# KiCad board Tanner 64k SRAM.kicad_pcb
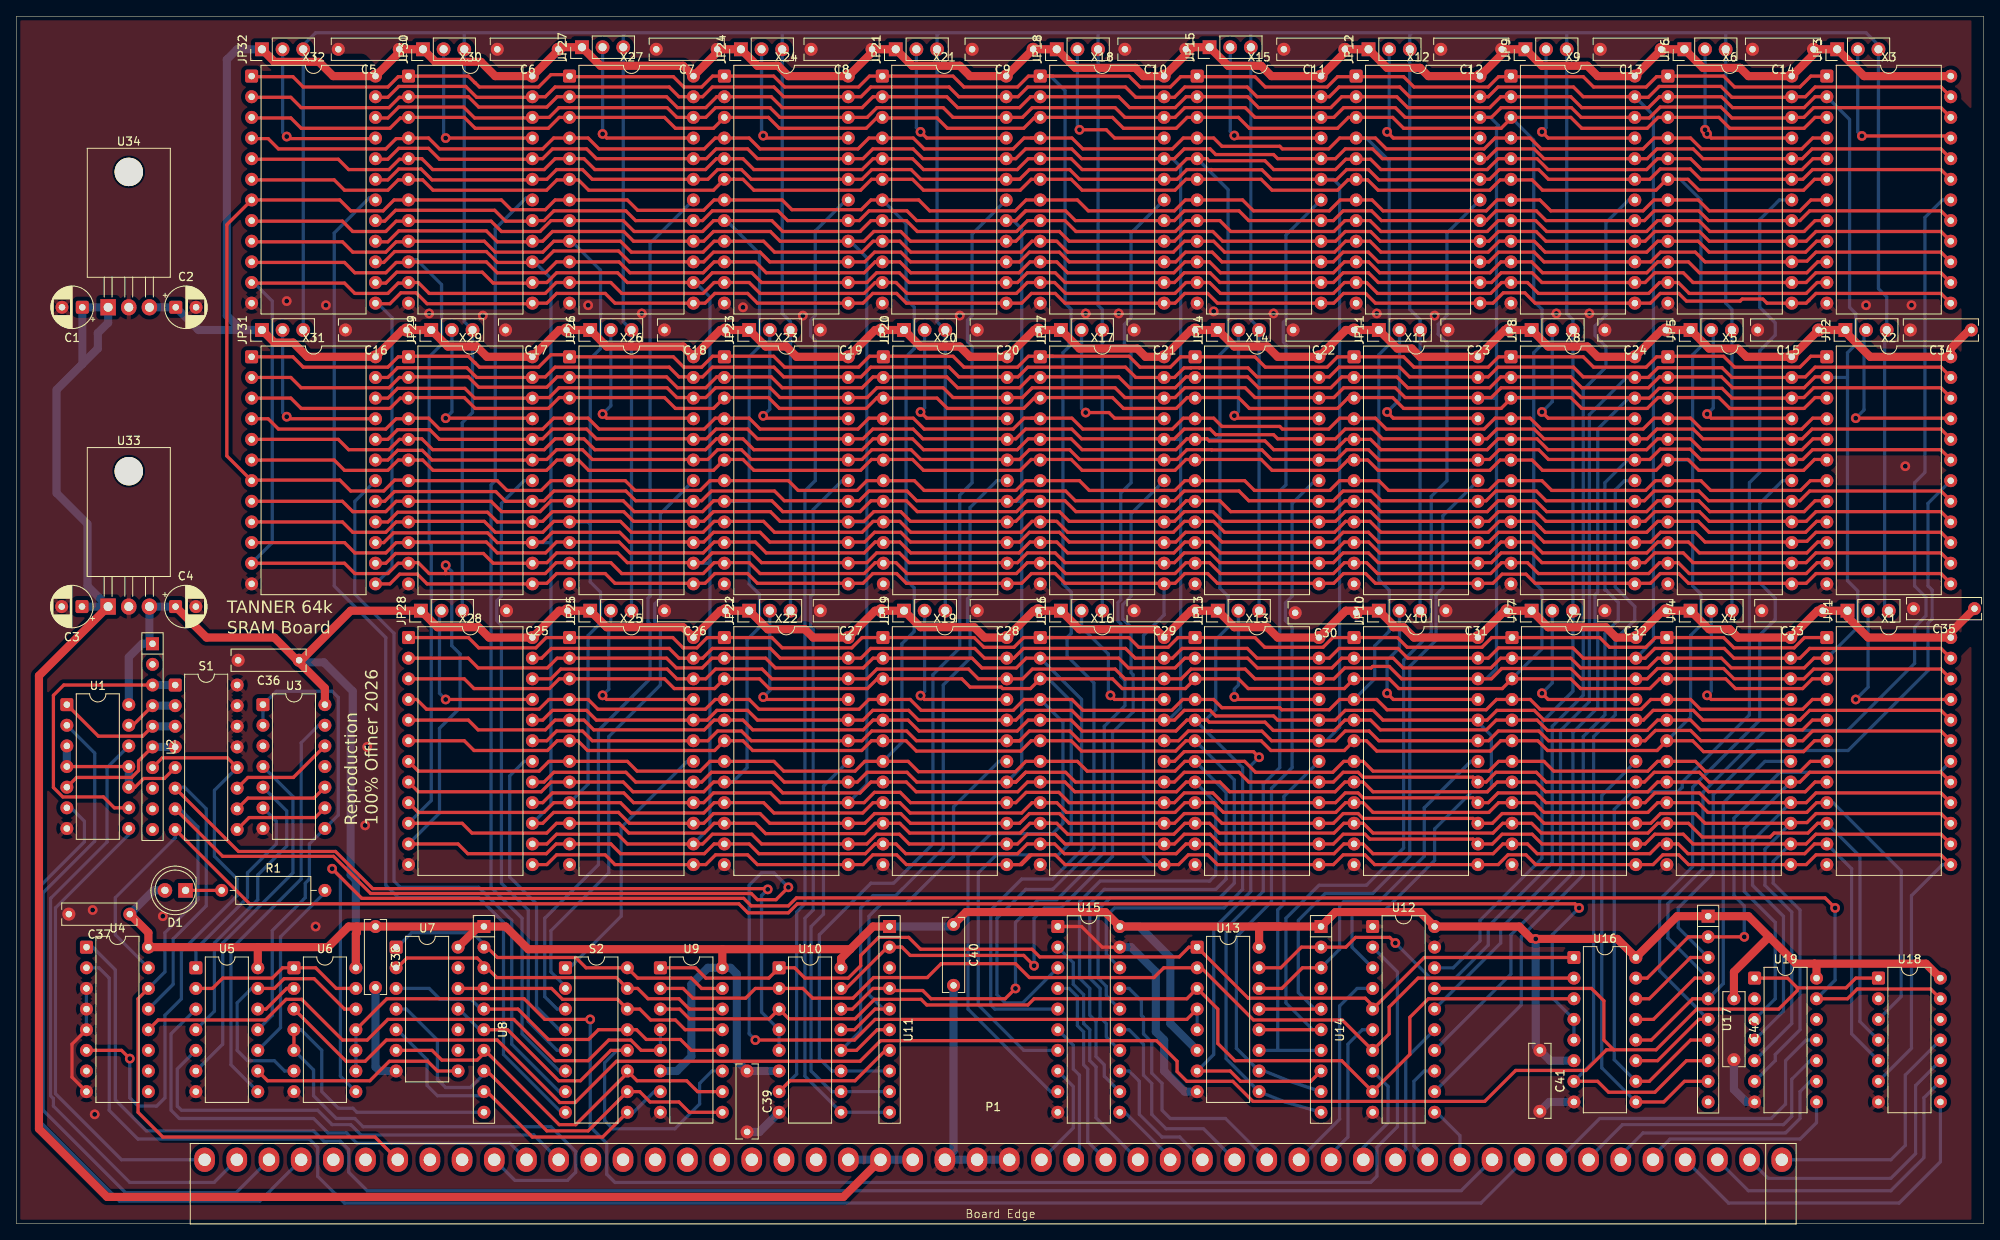
[diagram p0: board, top side]
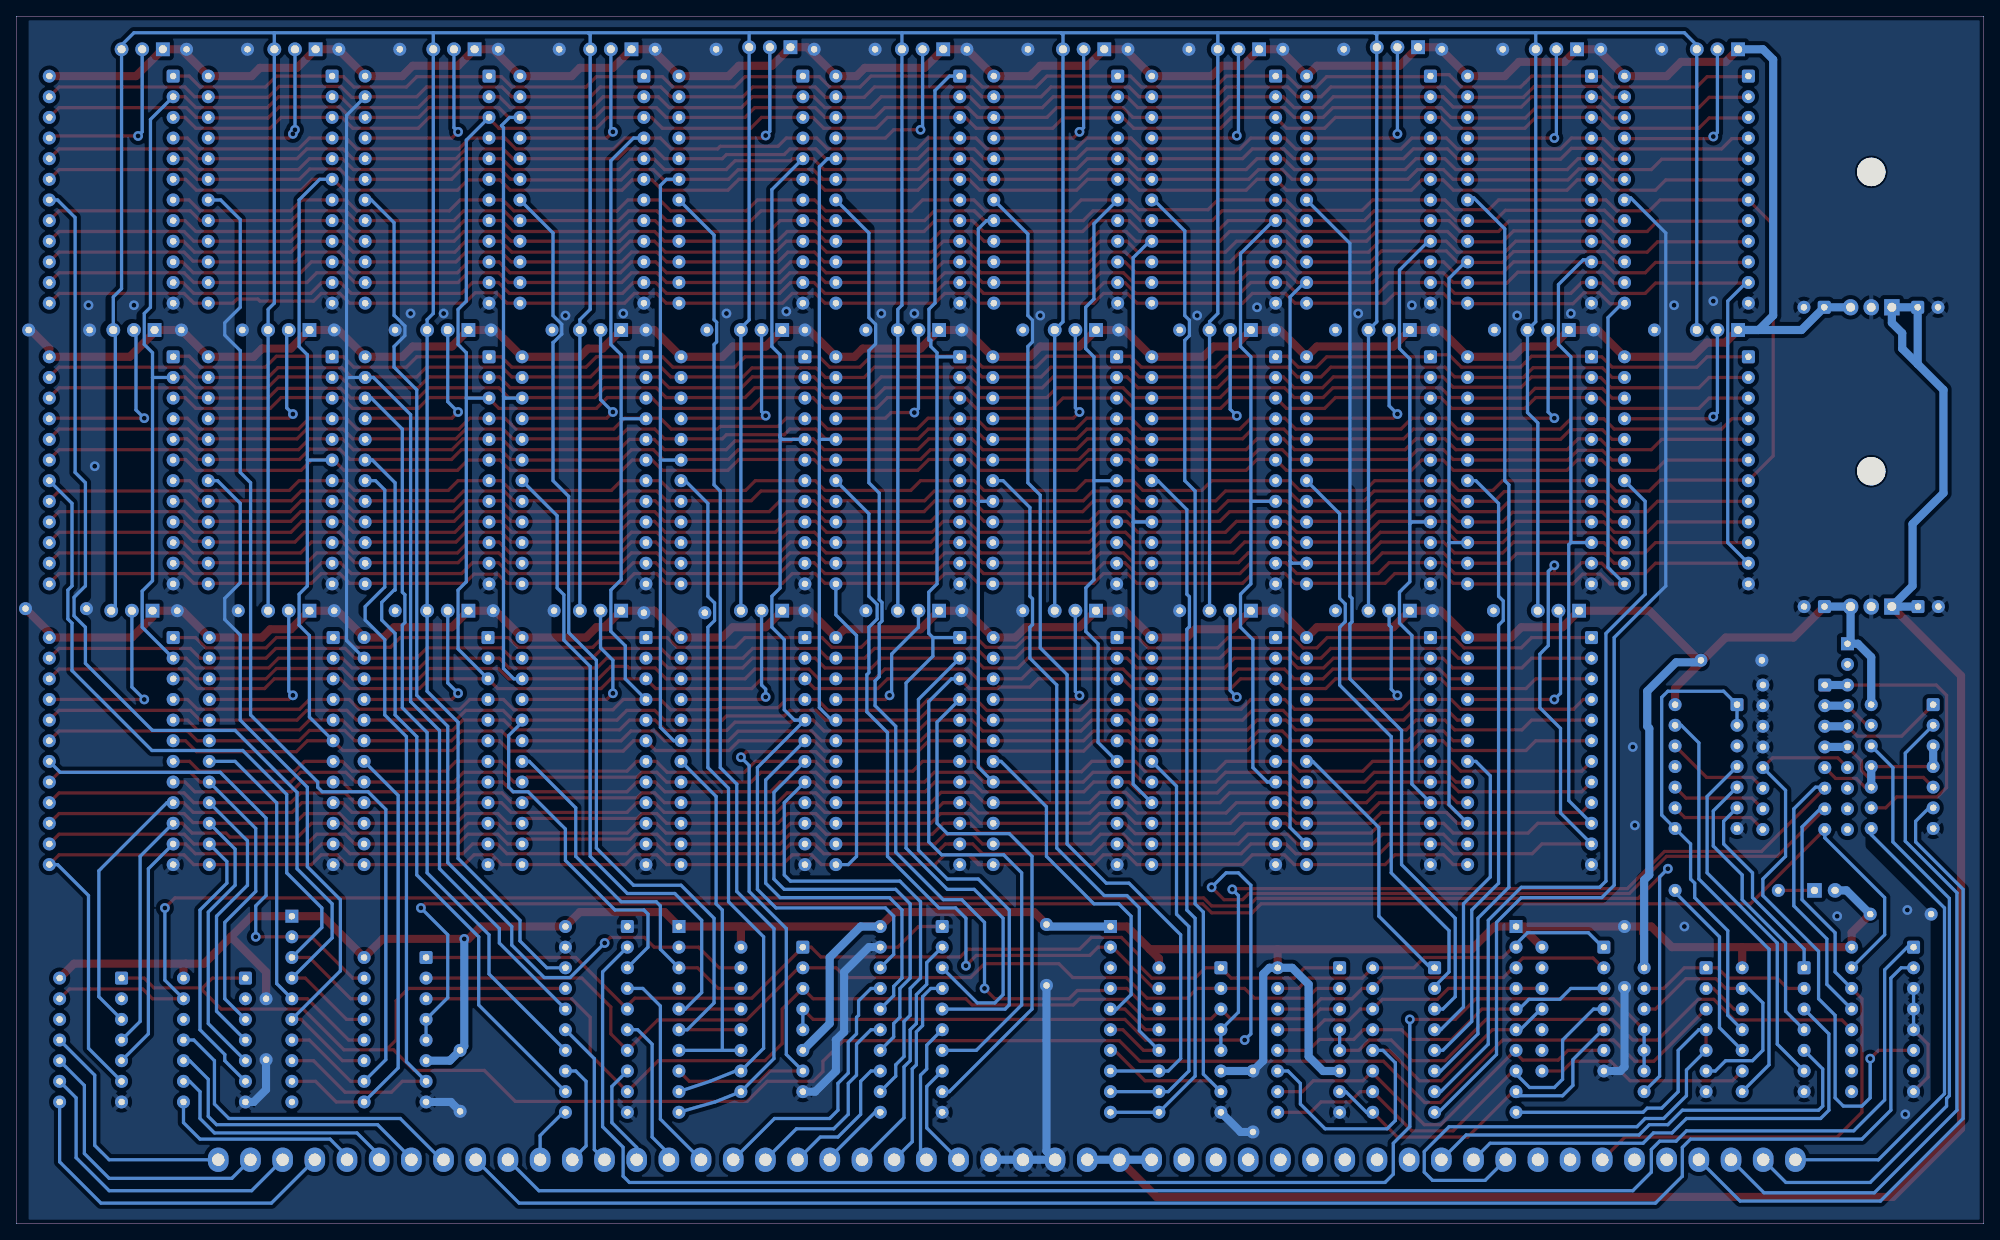
[diagram p1: board, bottom side, seen from below]

Outline 242.06 x 148.59 mm; copper layers: Top, Bottom. Coordinates in mm from the lower left corner of the outline.
Outline path: rectangle 0,148.59 242.06,0

## Placement (name value [footprint] x y rotation side)
C1  10u  [CP_Radial_D5.0mm_P2.50mm]  8.13 112.78 180 top
C2  10u  [CP_Radial_D5.0mm_P2.50mm]  19.62 112.78 0 top
C3  10u  [CP_Radial_D5.0mm_P2.50mm]  8.09 75.95 180 top
C4  10u  [CP_Radial_D5.0mm_P2.50mm]  19.6 75.95 0 top
C5  100n  [C_Rect_L9.0mm_W2.5mm_P7.50mm_MKT]  47.12 144.53 180 top
C6  100n  [C_Rect_L9.0mm_W2.5mm_P7.50mm_MKT]  66.68 144.53 180 top
C7  100n  [C_Rect_L9.0mm_W2.5mm_P7.50mm_MKT]  86.24 144.53 180 top
C8  100n  [C_Rect_L9.0mm_W2.5mm_P7.50mm_MKT]  105.29 144.53 180 top
C9  100n  [C_Rect_L9.0mm_W2.5mm_P7.50mm_MKT]  125.1 144.53 180 top
C10  100n  [C_Rect_L9.0mm_W2.5mm_P7.50mm_MKT]  143.9 144.53 180 top
C11  100n  [C_Rect_L9.0mm_W2.5mm_P7.50mm_MKT]  163.46 144.53 180 top
C12  100n  [C_Rect_L9.0mm_W2.5mm_P7.50mm_MKT]  182.76 144.53 180 top
C13  100n  [C_Rect_L9.0mm_W2.5mm_P7.50mm_MKT]  202.38 144.53 180 top
C14  100n  [C_Rect_L9.0mm_W2.5mm_P7.50mm_MKT]  221.11 144.53 180 top
C15  100n  [C_Rect_L9.0mm_W2.5mm_P7.50mm_MKT]  221.74 109.98 180 top
C16  100n  [C_Rect_L9.0mm_W2.5mm_P7.50mm_MKT]  48.01 109.98 180 top
C17  100n  [C_Rect_L9.0mm_W2.5mm_P7.50mm_MKT]  67.7 109.98 180 top
C18  100n  [C_Rect_L9.0mm_W2.5mm_P7.50mm_MKT]  87.26 109.98 180 top
C19  100n  [C_Rect_L9.0mm_W2.5mm_P7.50mm_MKT]  106.43 109.98 180 top
C20  100n  [C_Rect_L9.0mm_W2.5mm_P7.50mm_MKT]  125.73 109.98 180 top
C21  100n  [C_Rect_L9.0mm_W2.5mm_P7.50mm_MKT]  145.03 109.98 180 top
C22  100n  [C_Rect_L9.0mm_W2.5mm_P7.50mm_MKT]  164.59 109.98 180 top
C23  100n  [C_Rect_L9.0mm_W2.5mm_P7.50mm_MKT]  183.64 109.98 180 top
C24  100n  [C_Rect_L9.0mm_W2.5mm_P7.50mm_MKT]  202.95 109.98 180 top
C25  100n  [C_Rect_L9.0mm_W2.5mm_P7.50mm_MKT]  67.82 75.44 180 top
C26  100n  [C_Rect_L9.0mm_W2.5mm_P7.50mm_MKT]  87.26 75.44 180 top
C27  100n  [C_Rect_L9.0mm_W2.5mm_P7.50mm_MKT]  106.43 75.44 180 top
C28  100n  [C_Rect_L9.0mm_W2.5mm_P7.50mm_MKT]  125.73 75.44 180 top
C29  100n  [C_Rect_L9.0mm_W2.5mm_P7.50mm_MKT]  145.03 75.44 180 top
C30  100n  [C_Rect_L9.0mm_W2.5mm_P7.50mm_MKT]  164.85 75.18 180 top
C31  100n  [C_Rect_L9.0mm_W2.5mm_P7.50mm_MKT]  183.39 75.44 180 top
C32  100n  [C_Rect_L9.0mm_W2.5mm_P7.50mm_MKT]  202.95 75.44 180 top
C33  100n  [C_Rect_L9.0mm_W2.5mm_P7.50mm_MKT]  222.25 75.44 180 top
C34  100n  [C_Rect_L9.0mm_W2.5mm_P7.50mm_MKT]  240.54 109.98 180 top
C35  100n  [C_Rect_L9.0mm_W2.5mm_P7.50mm_MKT]  240.93 75.69 180 top
C36  100n  [C_Rect_L9.0mm_W2.5mm_P7.50mm_MKT]  34.8 69.34 180 top
C37  100n  [C_Rect_L9.0mm_W2.5mm_P7.50mm_MKT]  13.97 38.1 180 top
C38  100n  [C_Rect_L9.0mm_W2.5mm_P7.50mm_MKT]  44.2 36.58 270 top
C39  100n  [C_Rect_L9.0mm_W2.5mm_P7.50mm_MKT]  89.92 18.8 270 top
C40  100n  [C_Rect_L9.0mm_W2.5mm_P7.50mm_MKT]  115.32 36.83 270 top
C41  100n  [C_Rect_L9.0mm_W2.5mm_P7.50mm_MKT]  187.45 21.34 270 top
C42  100n  [C_Rect_L9.0mm_W2.5mm_P7.50mm_MKT]  211.33 27.69 270 top
D1  RED  [LED_D5.0mm]  20.83 41.02 180 top
JP1  RAM/ROM  [PinHeader_1x03_P2.54mm_Vertical]  225.3 75.44 90 top
JP2  RAM/ROM  [PinHeader_1x03_P2.54mm_Vertical]  225.04 109.98 90 top
JP3  RAM/ROM  [PinHeader_1x03_P2.54mm_Vertical]  224.03 144.53 90 top
JP4  RAM/ROM  [PinHeader_1x03_P2.54mm_Vertical]  205.99 75.44 90 top
JP5  RAM/ROM  [PinHeader_1x03_P2.54mm_Vertical]  205.99 109.98 90 top
JP6  RAM/ROM  [PinHeader_1x03_P2.54mm_Vertical]  205.23 144.53 90 top
JP7  RAM/ROM  [PinHeader_1x03_P2.54mm_Vertical]  186.44 75.44 90 top
JP8  RAM/ROM  [PinHeader_1x03_P2.54mm_Vertical]  186.44 109.98 90 top
JP9  RAM/ROM  [PinHeader_1x03_P2.54mm_Vertical]  185.67 144.53 90 top
JP10  RAM/ROM  [PinHeader_1x03_P2.54mm_Vertical]  167.64 75.44 90 top
JP11  RAM/ROM  [PinHeader_1x03_P2.54mm_Vertical]  167.64 109.98 90 top
JP12  RAM/ROM  [PinHeader_1x03_P2.54mm_Vertical]  166.37 144.53 90 top
JP13  RAM/ROM  [PinHeader_1x03_P2.54mm_Vertical]  147.83 75.44 90 top
JP14  RAM/ROM  [PinHeader_1x03_P2.54mm_Vertical]  147.83 109.98 90 top
JP15  RAM/ROM  [PinHeader_1x03_P2.54mm_Vertical]  146.81 144.78 90 top
JP16  RAM/ROM  [PinHeader_1x03_P2.54mm_Vertical]  128.52 75.44 90 top
JP17  RAM/ROM  [PinHeader_1x03_P2.54mm_Vertical]  128.52 109.98 90 top
JP18  RAM/ROM  [PinHeader_1x03_P2.54mm_Vertical]  128.02 144.53 90 top
JP19  RAM/ROM  [PinHeader_1x03_P2.54mm_Vertical]  109.22 75.44 90 top
JP20  RAM/ROM  [PinHeader_1x03_P2.54mm_Vertical]  109.22 109.98 90 top
JP21  RAM/ROM  [PinHeader_1x03_P2.54mm_Vertical]  108.2 144.53 90 top
JP22  RAM/ROM  [PinHeader_1x03_P2.54mm_Vertical]  90.17 75.44 90 top
JP23  RAM/ROM  [PinHeader_1x03_P2.54mm_Vertical]  90.17 109.98 90 top
JP24  RAM/ROM  [PinHeader_1x03_P2.54mm_Vertical]  89.15 144.53 90 top
JP25  RAM/ROM  [PinHeader_1x03_P2.54mm_Vertical]  70.61 75.44 90 top
JP26  RAM/ROM  [PinHeader_1x03_P2.54mm_Vertical]  70.61 109.98 90 top
JP27  RAM/ROM  [PinHeader_1x03_P2.54mm_Vertical]  69.6 144.78 90 top
JP28  RAM/ROM  [PinHeader_1x03_P2.54mm_Vertical]  49.78 75.44 90 top
JP29  RAM/ROM  [PinHeader_1x03_P2.54mm_Vertical]  51.05 109.98 90 top
JP30  RAM/ROM  [PinHeader_1x03_P2.54mm_Vertical]  50.04 144.53 90 top
JP31  RAM/ROM  [PinHeader_1x03_P2.54mm_Vertical]  30.23 109.98 90 top
JP32  RAM/ROM  [PinHeader_1x03_P2.54mm_Vertical]  30.23 144.53 90 top
P1  SS-50 Bus  [SS-50_new]  120.19 7.87 0 top
R1  220E  [R_Axial_DIN0309_L9.0mm_D3.2mm_P12.70mm_Horizontal]  25.27 41.02 0 top
S1  SW_DIP_x08  [DIP-16_W7.62mm]  19.56 66.29 0 top
S2  SW_DIP_x08  [DIP-16_W7.62mm]  67.56 31.5 0 top
U1  74LS266  [DIP-14_W7.62mm]  6.22 63.88 0 top
U2  2k2  [R_Array_SIP10]  16.76 71.37 270 top
U3  74LS20  [DIP-14_W7.62mm]  30.35 63.88 0 top
U4  74LS138  [DIP-16_W7.62mm]  8.64 34.04 0 top
U5  74LS04  [DIP-14_W7.62mm]  22.1 31.5 0 top
U6  74LS00  [DIP-14_W7.62mm]  34.16 31.5 0 top
U7  74LS30  [DIP-14_W7.62mm]  46.74 34.04 0 top
U8  2k2  [R_Array_SIP10]  57.54 36.58 270 top
U9  74LS138  [DIP-16_W7.62mm]  79.25 31.5 0 top
U10  74LS138  [DIP-16_W7.62mm]  93.85 31.5 0 top
U11  2k2  [R_Array_SIP10]  107.44 36.58 270 top
U12  74LS244  [DIP-20_W7.62mm]  166.88 36.58 0 top
U13  74LS138  [DIP-16_W7.62mm]  145.29 34.04 0 top
U14  2k2  [R_Array_SIP10]  160.53 36.58 270 top
U15  74LS244  [DIP-20_W7.62mm]  128.14 36.58 0 top
U16  74LS138  [DIP-16_W7.62mm]  191.64 32.77 0 top
U17  2k2  [R_Array_SIP10]  208.15 37.85 270 top
U18  74LS242  [DIP-14_W7.62mm]  229.11 30.23 0 top
U19  74LS242  [DIP-14_W7.62mm]  213.87 30.23 0 top
U33  LM7805_TO220  [TO-220-3_Horizontal_TabDown]  11.3 75.95 0 top
U34  LM7805_TO220  [TO-220-3_Horizontal_TabDown]  11.3 112.78 0 top
X1  6116  [DIP-24_W15.24mm]  222.76 72.14 0 top
X2  6116  [DIP-24_W15.24mm]  222.76 106.68 0 top
X3  6116  [DIP-24_W15.24mm]  222.76 141.22 0 top
X4  6116  [DIP-24_W15.24mm]  203.07 72.14 0 top
X5  6116  [DIP-24_W15.24mm]  203.2 106.68 0 top
X6  6116  [DIP-24_W15.24mm]  203.2 141.22 0 top
X7  6116  [DIP-24_W15.24mm]  184.02 72.14 0 top
X8  6116  [DIP-24_W15.24mm]  183.9 106.68 0 top
X9  6116  [DIP-24_W15.24mm]  183.9 141.22 0 top
X10  6116  [DIP-24_W15.24mm]  164.59 72.14 0 top
X11  6116  [DIP-24_W15.24mm]  164.59 106.68 0 top
X12  6116  [DIP-24_W15.24mm]  164.85 141.22 0 top
X13  6116  [DIP-24_W15.24mm]  145.03 72.14 0 top
X14  6116  [DIP-24_W15.24mm]  145.03 106.68 0 top
X15  6116  [DIP-24_W15.24mm]  145.29 141.22 0 top
X16  6116  [DIP-24_W15.24mm]  125.98 72.14 0 top
X17  6116  [DIP-24_W15.24mm]  125.98 106.68 0 top
X18  6116  [DIP-24_W15.24mm]  125.98 141.22 0 top
X19  6116  [DIP-24_W15.24mm]  106.63 72.14 0 top
X20  6116  [DIP-24_W15.24mm]  106.68 106.68 0 top
X21  6116  [DIP-24_W15.24mm]  106.55 141.22 0 top
X22  6116  [DIP-24_W15.24mm]  87.12 72.14 0 top
X23  6116  [DIP-24_W15.24mm]  87.12 106.68 0 top
X24  6116  [DIP-24_W15.24mm]  87.12 141.22 0 top
X25  6116  [DIP-24_W15.24mm]  68.07 72.14 0 top
X26  6116  [DIP-24_W15.24mm]  68.07 106.68 0 top
X27  6116  [DIP-24_W15.24mm]  68.07 141.22 0 top
X28  6116  [DIP-24_W15.24mm]  48.26 72.14 0 top
X29  6116  [DIP-24_W15.24mm]  48.26 106.68 0 top
X30  6116  [DIP-24_W15.24mm]  48.26 141.22 0 top
X31  6116  [DIP-24_W15.24mm]  28.96 106.68 0 top
X32  6116  [DIP-24_W15.24mm]  28.96 141.22 0 top

## Library data of the parts
C1-C4 = -: Description: Polarized capacitor, small symbol; ki_fp_filters: CP_*
C5-C42 = -: Description: Unpolarized capacitor, small symbol; ki_fp_filters: C_*
D1 = -: Description: Light emitting diode, small symbol, filled shape; Sim.Pins: 1=K 2=A; ki_fp_filters: LED* LED_SMD:* LED_THT:*
JP1-JP32 = -: Description: Jumper, 3-pole, both open; ki_fp_filters: Jumper* TestPoint*3Pads* TestPoint*Bridge*
P1 = -: Description: "Generic connector, single row, 01x50, script generated"; ki_fp_filters: Connector*:*_1x??_*
R1 = -: Description: Resistor, small symbol; ki_fp_filters: R_*
S1 S2 = -: Description: 8x DIP Switch, Single Pole Single Throw (SPST) switch, small symbol; ki_fp_filters: SW?DIP?x8*
U1 = -: Datasheet: http://www.intersil.com/content/dam/Intersil/documents/cd40/cd4076bms.pdf; Description: Quad Xnor 2 inputs; ki_fp_filters: DIP?14*
U2 U8 U11 U14 U17 = -: Datasheet: http://www.vishay.com/docs/31509/csc.pdf; Description: 9 resistor network, star topology, bussed resistors, small symbol; ki_fp_filters: R?Array?SIP*
U3 = -: Datasheet: http://www.ti.com/lit/gpn/sn74LS20; Description: Dual 4-input NAND; ki_fp_filters: DIP?12*
U4 U9 U10 U13 U16 = -: Datasheet: http://www.ti.com/lit/gpn/sn74LS138; Description: Decoder 3 to 8 active low outputs; ki_fp_filters: DIP?16*
U5 = -: Datasheet: http://www.ti.com/lit/gpn/sn74LS04; Description: Hex Inverter; ki_fp_filters: DIP*W7.62mm* SSOP?14* TSSOP?14*
U6 = -: Datasheet: http://www.ti.com/lit/gpn/sn74ls00; Description: quad 2-input NAND gate; ki_fp_filters: DIP*W7.62mm* SO14*
U7 = -: Datasheet: http://www.ti.com/lit/gpn/sn74LS30; Description: 8-input NAND; ki_fp_filters: DIP*W7.62mm*
U12 U15 = -: Datasheet: http://www.ti.com/lit/ds/symlink/sn74ls244.pdf; Description: Octal Buffer and Line Driver With 3-State Output, active-low enables, non-inverting outputs; ki_fp_filters: DIP?20*
U18 U19 = -: Datasheet: http://www.ti.com/lit/gpn/sn74LS242; Description: quad bus transceiver, inverting 3-state outputs; ki_fp_filters: DIP?12*
U33 U34 = -: Datasheet: https://www.onsemi.cn/PowerSolutions/document/MC7800-D.PDF; Description: Positive 1A 35V Linear Regulator, Fixed Output 5V, TO-220; ki_fp_filters: TO?220*
X1-X32 = -: Description: SRAM 16 KiBit; ki_fp_filters: DIP*W15.24mm*

## Footprints (pads in the part's own frame, mm; a bottom-side part is the same pattern mirrored in y, then rotated)
C_Rect_L9.0mm_W2.5mm_P7.50mm_MKT
  round 1.6 hole 0.8: 1(0,0) 2(7.5,0)
CP_Radial_D5.0mm_P2.50mm
  rrect 1.6x1.6 hole 0.8: 1(0,0)
  round 1.6 hole 0.8: 2(2.5,0)
DIP-14_W7.62mm
  rrect 1.6x1.6 hole 0.8: 1(0,0)
  round 1.6 hole 0.8: 2(0,-2.54) 3(0,-5.08) 4(0,-7.62) 5(0,-10.16) 6(0,-12.7) 7(0,-15.24) 8(7.62,-15.24) 9(7.62,-12.7) 10(7.62,-10.16) 11(7.62,-7.62) 12(7.62,-5.08) 13(7.62,-2.54) 14(7.62,0)
DIP-16_W7.62mm
  rrect 1.6x1.6 hole 0.8: 1(0,0)
  round 1.6 hole 0.8: 2(0,-2.54) 3(0,-5.08) 4(0,-7.62) 5(0,-10.16) 6(0,-12.7) 7(0,-15.24) 8(0,-17.78) 9(7.62,-17.78) 10(7.62,-15.24) 11(7.62,-12.7) 12(7.62,-10.16) 13(7.62,-7.62) 14(7.62,-5.08) 15(7.62,-2.54) 16(7.62,0)
DIP-20_W7.62mm
  rrect 1.6x1.6 hole 0.8: 1(0,0)
  round 1.6 hole 0.8: 2(0,-2.54) 3(0,-5.08) 4(0,-7.62) 5(0,-10.16) 6(0,-12.7) 7(0,-15.24) 8(0,-17.78) 9(0,-20.32) 10(0,-22.86) 11(7.62,-22.86) 12(7.62,-20.32) 13(7.62,-17.78) 14(7.62,-15.24) 15(7.62,-12.7) 16(7.62,-10.16) 17(7.62,-7.62) 18(7.62,-5.08) 19(7.62,-2.54) 20(7.62,0)
DIP-24_W15.24mm
  rrect 1.6x1.6 hole 0.8: 1(0,0)
  round 1.6 hole 0.8: 2(0,-2.54) 3(0,-5.08) 4(0,-7.62) 5(0,-10.16) 6(0,-12.7) 7(0,-15.24) 8(0,-17.78) 9(0,-20.32) 10(0,-22.86) 11(0,-25.4) 12(0,-27.94) 13(15.24,-27.94) 14(15.24,-25.4) 15(15.24,-22.86) 16(15.24,-20.32) 17(15.24,-17.78) 18(15.24,-15.24) 19(15.24,-12.7) 20(15.24,-10.16) 21(15.24,-7.62) 22(15.24,-5.08) 23(15.24,-2.54) 24(15.24,0)
LED_D5.0mm
  rect 1.8x1.8 hole 0.9: 1(0,0)
  round 1.8 hole 0.9: 2(2.54,0)
PinHeader_1x03_P2.54mm_Vertical
  rect 1.7x1.7 hole 1: 1(0,0)
  round 1.7 hole 1: 2(0,-2.54) 3(0,-5.08)
R_Array_SIP10
  rect 1.6x1.6 hole 0.8: 1(0,0)
  round 1.6 hole 0.8: 2(2.54,0) 3(5.08,0) 4(7.62,0) 5(10.16,0) 6(12.7,0) 7(15.24,0) 8(17.78,0) 9(20.32,0) 10(22.86,0)
R_Axial_DIN0309_L9.0mm_D3.2mm_P12.70mm_Horizontal
  round 1.6 hole 0.8: 1(0,0) 2(12.7,0)
SS-50_new
  oval 2.54x3 hole 1.52: 1(97.02,0) 2(93.06,0) 3(89.1,0) 4(85.14,0) 5(81.18,0) 6(77.22,0) 7(73.26,0) 8(69.3,0) 9(65.34,0) 10(61.38,0) 11(57.42,0) 12(53.46,0) 13(49.5,0) 14(45.54,0) 15(41.58,0) 16(37.62,0) 17(33.66,0) 18(29.7,0) 19(25.74,0) 20(21.78,0) 21(17.82,0) 22(13.86,0) 23(9.9,0) 24(5.94,0) 25(1.98,0) 26(-1.98,0) 27(-5.94,0) 28(-9.9,0) 29(-13.86,0) 30(-17.82,0) 31(-21.78,0) 32(-25.74,0) 33(-29.7,0) 34(-33.66,0) 35(-37.62,0) 36(-41.58,0) 37(-45.54,0) 38(-49.5,0) 39(-53.46,0) 40(-57.42,0) 41(-61.38,0) 42(-65.34,0) 43(-69.3,0) 44(-73.26,0) 45(-77.22,0) 46(-81.18,0) 47(-85.14,0) 48(-89.1,0) 49(-93.06,0) 50(-97.02,0)
TO-220-3_Horizontal_TabDown
  round 3.5 hole 3.5 unplated: (2.54,16.66)
  rect 1.905x2 hole 1.1: 1(0,0)
  oval 1.905x2 hole 1.1: 2(2.54,0) 3(5.08,0)

## Nets
+5V: C4.1 C25.1 C26.1 C27.1 C28.1 C29.1 C30.1 C31.1 C32.1 C33.1 C35.1 C36.1 C37.1 C38.1 C39.1 C40.1 C41.1 C42.1 D1.2 JP1.1 JP4.1 JP7.1 JP10.1 JP13.1 JP16.1 JP19.1 JP22.1 JP25.1 JP28.1 U1.14 U2.1 U3.14 U4.16 U5.14 U6.14 U7.14 U8.1 U9.6 U9.16 U10.6 U10.16 U11.1 U12.20 U13.6 U13.16 U14.1 U15.20 U16.6 U16.16 U17.1 U18.14 U19.14 U33.3 X1.24 X4.24 X7.24 X10.24 X13.24 X16.24 X19.24 X22.24 X25.24 X28.24
+8V: C1.1 C3.1 P1.28 P1.29 P1.30 U33.1 U34.1
+12V: P1.32
-12V: P1.31
GND: C1.2 C2.2 C3.2 C4.2 C5.2 C6.2 C7.2 C8.2 C9.2 C10.2 C11.2 C12.2 C13.2 C14.2 C15.2 C16.2 C17.2 C18.2 C19.2 C20.2 C21.2 C22.2 C23.2 C24.2 C25.2 C26.2 C27.2 C28.2 C29.2 C30.2 C31.2 C32.2 C33.2 C34.2 C35.2 C36.2 C37.2 C38.2 C39.2 C40.2 C41.2 C42.2 P1.25 P1.26 P1.27 S1.13 S1.14 S1.15 S1.16 U1.7 U3.7 U4.3 U4.4 U4.5 U4.8 U5.7 U6.7 U7.7 U9.8 U10.8 U12.1 U12.10 U12.19 U13.8 U15.1 U15.10 U15.19 U16.8 U18.7 U19.7 U33.2 U34.2 X1.12 X2.12 X3.12 X4.12 X5.12 X6.12 X7.12 X8.12 X9.12 X10.12 X11.12 X12.12 X13.12 X14.12 X15.12 X16.12 X17.12 X18.12 X19.12 X20.12 X21.12 X22.12 X23.12 X24.12 X25.12 X26.12 X27.12 X28.12 X29.12 X30.12 X31.12 X32.12
+5C: C2.1 C5.1 C6.1 C7.1 C8.1 C9.1 C10.1 C11.1 C12.1 C13.1 C14.1 C15.1 C16.1 C17.1 C18.1 C19.1 C20.1 C21.1 C22.1 C23.1 C24.1 C34.1 JP2.1 JP3.1 JP5.1 JP6.1 JP8.1 JP9.1 JP11.1 JP12.1 JP14.1 JP15.1 JP17.1 JP18.1 JP20.1 JP21.1 JP23.1 JP24.1 JP26.1 JP27.1 JP29.1 JP30.1 JP31.1 JP32.1 U34.3 X2.24 X3.24 X5.24 X6.24 X8.24 X9.24 X11.24 X12.24 X14.24 X15.24 X17.24 X18.24 X20.24 X21.24 X23.24 X24.24 X26.24 X27.24 X29.24 X30.24 X31.24 X32.24
/A0: U15.12 X1.8 X2.8 X3.8 X4.8 X5.8 X6.8 X7.8 X8.8 X9.8 X10.8 X11.8 X12.8 X13.8 X14.8 X15.8 X16.8 X17.8 X18.8 X19.8 X20.8 X21.8 X22.8 X23.8 X24.8 X25.8 X26.8 X27.8 X28.8 X29.8 X30.8 X31.8 X32.8
/A1: U15.14 X1.7 X2.7 X3.7 X4.7 X5.7 X6.7 X7.7 X8.7 X9.7 X10.7 X11.7 X12.7 X13.7 X14.7 X15.7 X16.7 X17.7 X18.7 X19.7 X20.7 X21.7 X22.7 X23.7 X24.7 X25.7 X26.7 X27.7 X28.7 X29.7 X30.7 X31.7 X32.7
/A2: U15.16 X1.6 X2.6 X3.6 X4.6 X5.6 X6.6 X7.6 X8.6 X9.6 X10.6 X11.6 X12.6 X13.6 X14.6 X15.6 X16.6 X17.6 X18.6 X19.6 X20.6 X21.6 X22.6 X23.6 X24.6 X25.6 X26.6 X27.6 X28.6 X29.6 X30.6 X31.6 X32.6
/A3: U15.18 X1.5 X2.5 X3.5 X4.5 X5.5 X6.5 X7.5 X8.5 X9.5 X10.5 X11.5 X12.5 X13.5 X14.5 X15.5 X16.5 X17.5 X18.5 X19.5 X20.5 X21.5 X22.5 X23.5 X24.5 X25.5 X26.5 X27.5 X28.5 X29.5 X30.5 X31.5 X32.5
/A4: U15.9 X1.4 X2.4 X3.4 X4.4 X5.4 X6.4 X7.4 X8.4 X9.4 X10.4 X11.4 X12.4 X13.4 X14.4 X15.4 X16.4 X17.4 X18.4 X19.4 X20.4 X21.4 X22.4 X23.4 X24.4 X25.4 X26.4 X27.4 X28.4 X29.4 X30.4 X31.4 X32.4
/A5: U15.7 X1.3 X2.3 X3.3 X4.3 X5.3 X6.3 X7.3 X8.3 X9.3 X10.3 X11.3 X12.3 X13.3 X14.3 X15.3 X16.3 X17.3 X18.3 X19.3 X20.3 X21.3 X22.3 X23.3 X24.3 X25.3 X26.3 X27.3 X28.3 X29.3 X30.3 X31.3 X32.3
/A6: U15.5 X1.2 X2.2 X3.2 X4.2 X5.2 X6.2 X7.2 X8.2 X9.2 X10.2 X11.2 X12.2 X13.2 X14.2 X15.2 X16.2 X17.2 X18.2 X19.2 X20.2 X21.2 X22.2 X23.2 X24.2 X25.2 X26.2 X27.2 X28.2 X29.2 X30.2 X31.2 X32.2
/A7: U15.3 X1.1 X2.1 X3.1 X4.1 X5.1 X6.1 X7.1 X8.1 X9.1 X10.1 X11.1 X12.1 X13.1 X14.1 X15.1 X16.1 X17.1 X18.1 X19.1 X20.1 X21.1 X22.1 X23.1 X24.1 X25.1 X26.1 X27.1 X28.1 X29.1 X30.1 X31.1 X32.1
/A8: U12.16 X1.23 X2.23 X3.23 X4.23 X5.23 X6.23 X7.23 X8.23 X9.23 X10.23 X11.23 X12.23 X13.23 X14.23 X15.23 X16.23 X17.23 X18.23 X19.23 X20.23 X21.23 X22.23 X23.23 X24.23 X25.23 X26.23 X27.23 X28.23 X29.23 X30.23 X31.23 X32.23
/A9: U12.14 X1.22 X2.22 X3.22 X4.22 X5.22 X6.22 X7.22 X8.22 X9.22 X10.22 X11.22 X12.22 X13.22 X14.22 X15.22 X16.22 X17.22 X18.22 X19.22 X20.22 X21.22 X22.22 X23.22 X24.22 X25.22 X26.22 X27.22 X28.22 X29.22 X30.22 X31.22 X32.22
/A10: U12.12 X1.19 X2.19 X3.19 X4.19 X5.19 X6.19 X7.19 X8.19 X9.19 X10.19 X11.19 X12.19 X13.19 X14.19 X15.19 X16.19 X17.19 X18.19 X19.19 X20.19 X21.19 X22.19 X23.19 X24.19 X25.19 X26.19 X27.19 X28.19 X29.19 X30.19 X31.19 X32.19
/A11: U9.1 U10.1 U12.5 U13.1 U16.1
/A12: U9.2 U10.2 U12.7 U13.2 U16.2
/A13: U9.3 U10.3 U12.9 U13.3 U16.3
/BA: P1.43
/BA0: P1.24 U15.8
/BA1: P1.23 U15.6
/BA2: P1.22 U15.4
/BA3: P1.21 U15.2
/BA4: P1.20 U15.11
/BA5: P1.19 U15.13
/BA6: P1.18 U15.15
/BA7: P1.17 U15.17
/BA8: P1.16 U12.4
/BA9: P1.15 U12.6
/BA10: P1.14 U12.8
/BA11: P1.13 U12.15
/BA12: P1.12 U12.13
/BA13: P1.11 U12.11
/BA14: P1.10 U4.1
/BA15: P1.9 U4.2
/BA16: P1.50 U1.8
/BA17: P1.49 U1.12
/BA18: P1.48 U1.2
/BA19: P1.47 U1.6
/BD0: P1.1 U18.11
/BD1: P1.2 U18.10
/BD2: P1.3 U18.9
/BD3: P1.4 U18.8
/BD4: P1.5 U19.8
/BD5: P1.6 U19.9
/BD6: P1.7 U19.10
/BD7: P1.8 U19.11
/BE: P1.39 U5.5
/BQ: P1.38
/D0: U18.3 X1.9 X2.9 X3.9 X4.9 X5.9 X6.9 X7.9 X8.9 X9.9 X10.9 X11.9 X12.9 X13.9 X14.9 X15.9 X16.9 X17.9 X18.9 X19.9 X20.9 X21.9 X22.9 X23.9 X24.9 X25.9 X26.9 X27.9 X28.9 X29.9 X30.9 X31.9 X32.9
/D1: U18.4 X1.10 X2.10 X3.10 X4.10 X5.10 X6.10 X7.10 X8.10 X9.10 X10.10 X11.10 X12.10 X13.10 X14.10 X15.10 X16.10 X17.10 X18.10 X19.10 X20.10 X21.10 X22.10 X23.10 X24.10 X25.10 X26.10 X27.10 X28.10 X29.10 X30.10 X31.10 X32.10
/D2: U18.5 X1.11 X2.11 X3.11 X4.11 X5.11 X6.11 X7.11 X8.11 X9.11 X10.11 X11.11 X12.11 X13.11 X14.11 X15.11 X16.11 X17.11 X18.11 X19.11 X20.11 X21.11 X22.11 X23.11 X24.11 X25.11 X26.11 X27.11 X28.11 X29.11 X30.11 X31.11 X32.11
/D3: U18.6 X1.13 X2.13 X3.13 X4.13 X5.13 X6.13 X7.13 X8.13 X9.13 X10.13 X11.13 X12.13 X13.13 X14.13 X15.13 X16.13 X17.13 X18.13 X19.13 X20.13 X21.13 X22.13 X23.13 X24.13 X25.13 X26.13 X27.13 X28.13 X29.13 X30.13 X31.13 X32.13
/D4: U19.6 X1.14 X2.14 X3.14 X4.14 X5.14 X6.14 X7.14 X8.14 X9.14 X10.14 X11.14 X12.14 X13.14 X14.14 X15.14 X16.14 X17.14 X18.14 X19.14 X20.14 X21.14 X22.14 X23.14 X24.14 X25.14 X26.14 X27.14 X28.14 X29.14 X30.14 X31.14 X32.14
/D5: U19.5 X1.15 X2.15 X3.15 X4.15 X5.15 X6.15 X7.15 X8.15 X9.15 X10.15 X11.15 X12.15 X13.15 X14.15 X15.15 X16.15 X17.15 X18.15 X19.15 X20.15 X21.15 X22.15 X23.15 X24.15 X25.15 X26.15 X27.15 X28.15 X29.15 X30.15 X31.15 X32.15
/D6: U19.4 X1.16 X2.16 X3.16 X4.16 X5.16 X6.16 X7.16 X8.16 X9.16 X10.16 X11.16 X12.16 X13.16 X14.16 X15.16 X16.16 X17.16 X18.16 X19.16 X20.16 X21.16 X22.16 X23.16 X24.16 X25.16 X26.16 X27.16 X28.16 X29.16 X30.16 X31.16 X32.16
/D7: U19.3 X1.17 X2.17 X3.17 X4.17 X5.17 X6.17 X7.17 X8.17 X9.17 X10.17 X11.17 X12.17 X13.17 X14.17 X15.17 X16.17 X17.17 X18.17 X19.17 X20.17 X21.17 X22.17 X23.17 X24.17 X25.17 X26.17 X27.17 X28.17 X29.17 X30.17 X31.17 X32.17
/PUP: S1.12 U2.7 U4.6
/RAM Chips/DS0: S2.16 U7.1 U8.2 U9.15
/RAM Chips/DS1: S2.15 U7.2 U8.3 U9.14
/RAM Chips/DS2: S2.14 U7.12 U8.4 U9.13
/RAM Chips/DS3: S2.13 U7.3 U8.5 U9.12
/RAM Chips/DS4: S2.12 U7.11 U8.6 U9.11
/RAM Chips/DS5: S2.11 U7.6 U8.7 U9.10
/RAM Chips/DS6: S2.10 U7.4 U8.8 U9.9
/RAM Chips/DS7: S2.9 U7.5 U8.9 U9.7
/RAM Chips/~{CE0}: U16.15 U17.2 X1.18
/RAM Chips/~{CE1}: U16.14 U17.3 X2.18
/RAM Chips/~{CE2}: U16.13 U17.4 X3.18
/RAM Chips/~{CE3}: U16.12 U17.5 X4.18
/RAM Chips/~{CE4}: U16.11 U17.6 X5.18
/RAM Chips/~{CE5}: U16.10 U17.7 X6.18
/RAM Chips/~{CE6}: U16.9 U17.9 X7.18
/RAM Chips/~{CE7}: U16.7 U17.8 X8.18
/RAM Chips/~{CE8}: U13.15 U14.2 X9.18
/RAM Chips/~{CE9}: U13.14 U14.3 X10.18
/RAM Chips/~{CE10}: U13.13 U14.5 X11.18
/RAM Chips/~{CE11}: U13.12 U14.6 X12.18
/RAM Chips/~{CE12}: U13.11 U14.7 X13.18
/RAM Chips/~{CE13}: U13.10 U14.9 X14.18
/RAM Chips/~{CE14}: U13.9 U14.10 X15.18
/RAM Chips/~{CE15}: U13.7 U14.8 X16.18
/RAM Chips/~{CE16}: U10.15 U11.2 X17.18
/RAM Chips/~{CE17}: U10.14 U11.4 X18.18
/RAM Chips/~{CE18}: U10.13 U11.5 X19.18
/RAM Chips/~{CE19}: U10.12 U11.6 X20.18
/RAM Chips/~{CE20}: U10.11 U11.8 X21.18
/RAM Chips/~{CE21}: U10.10 U11.9 X22.18
/RAM Chips/~{CE22}: U10.9 U11.10 X23.18
/RAM Chips/~{CE23}: U10.7 U11.7 X24.18
/RAM Chips/~{CE24}: S2.1 X25.18
/RAM Chips/~{CE25}: S2.2 X26.18
/RAM Chips/~{CE26}: S2.3 X27.18
/RAM Chips/~{CE27}: S2.4 X28.18
/RAM Chips/~{CE28}: S2.5 X29.18
/RAM Chips/~{CE29}: S2.6 X30.18
/RAM Chips/~{CE30}: S2.7 X31.18
/RAM Chips/~{CE31}: S2.8 X32.18
/S0: S1.1 U1.9 U2.3
/S1: S1.2 U1.13 U2.4
/S2: S1.3 U1.1 U2.5
/S3: S1.4 U1.5 U2.6
/VMA: P1.40 U5.3
/~{AS}: S1.8 U4.15 U16.4 U16.5
/~{BS}: P1.44 S1.7 U4.14 U13.4 U13.5
/~{BUSREQ}: P1.46
/~{CS}: S1.6 U4.13 U10.4 U10.5